# Allegro board IMX7D EVK BOARD REV D_160314.brd (continued)
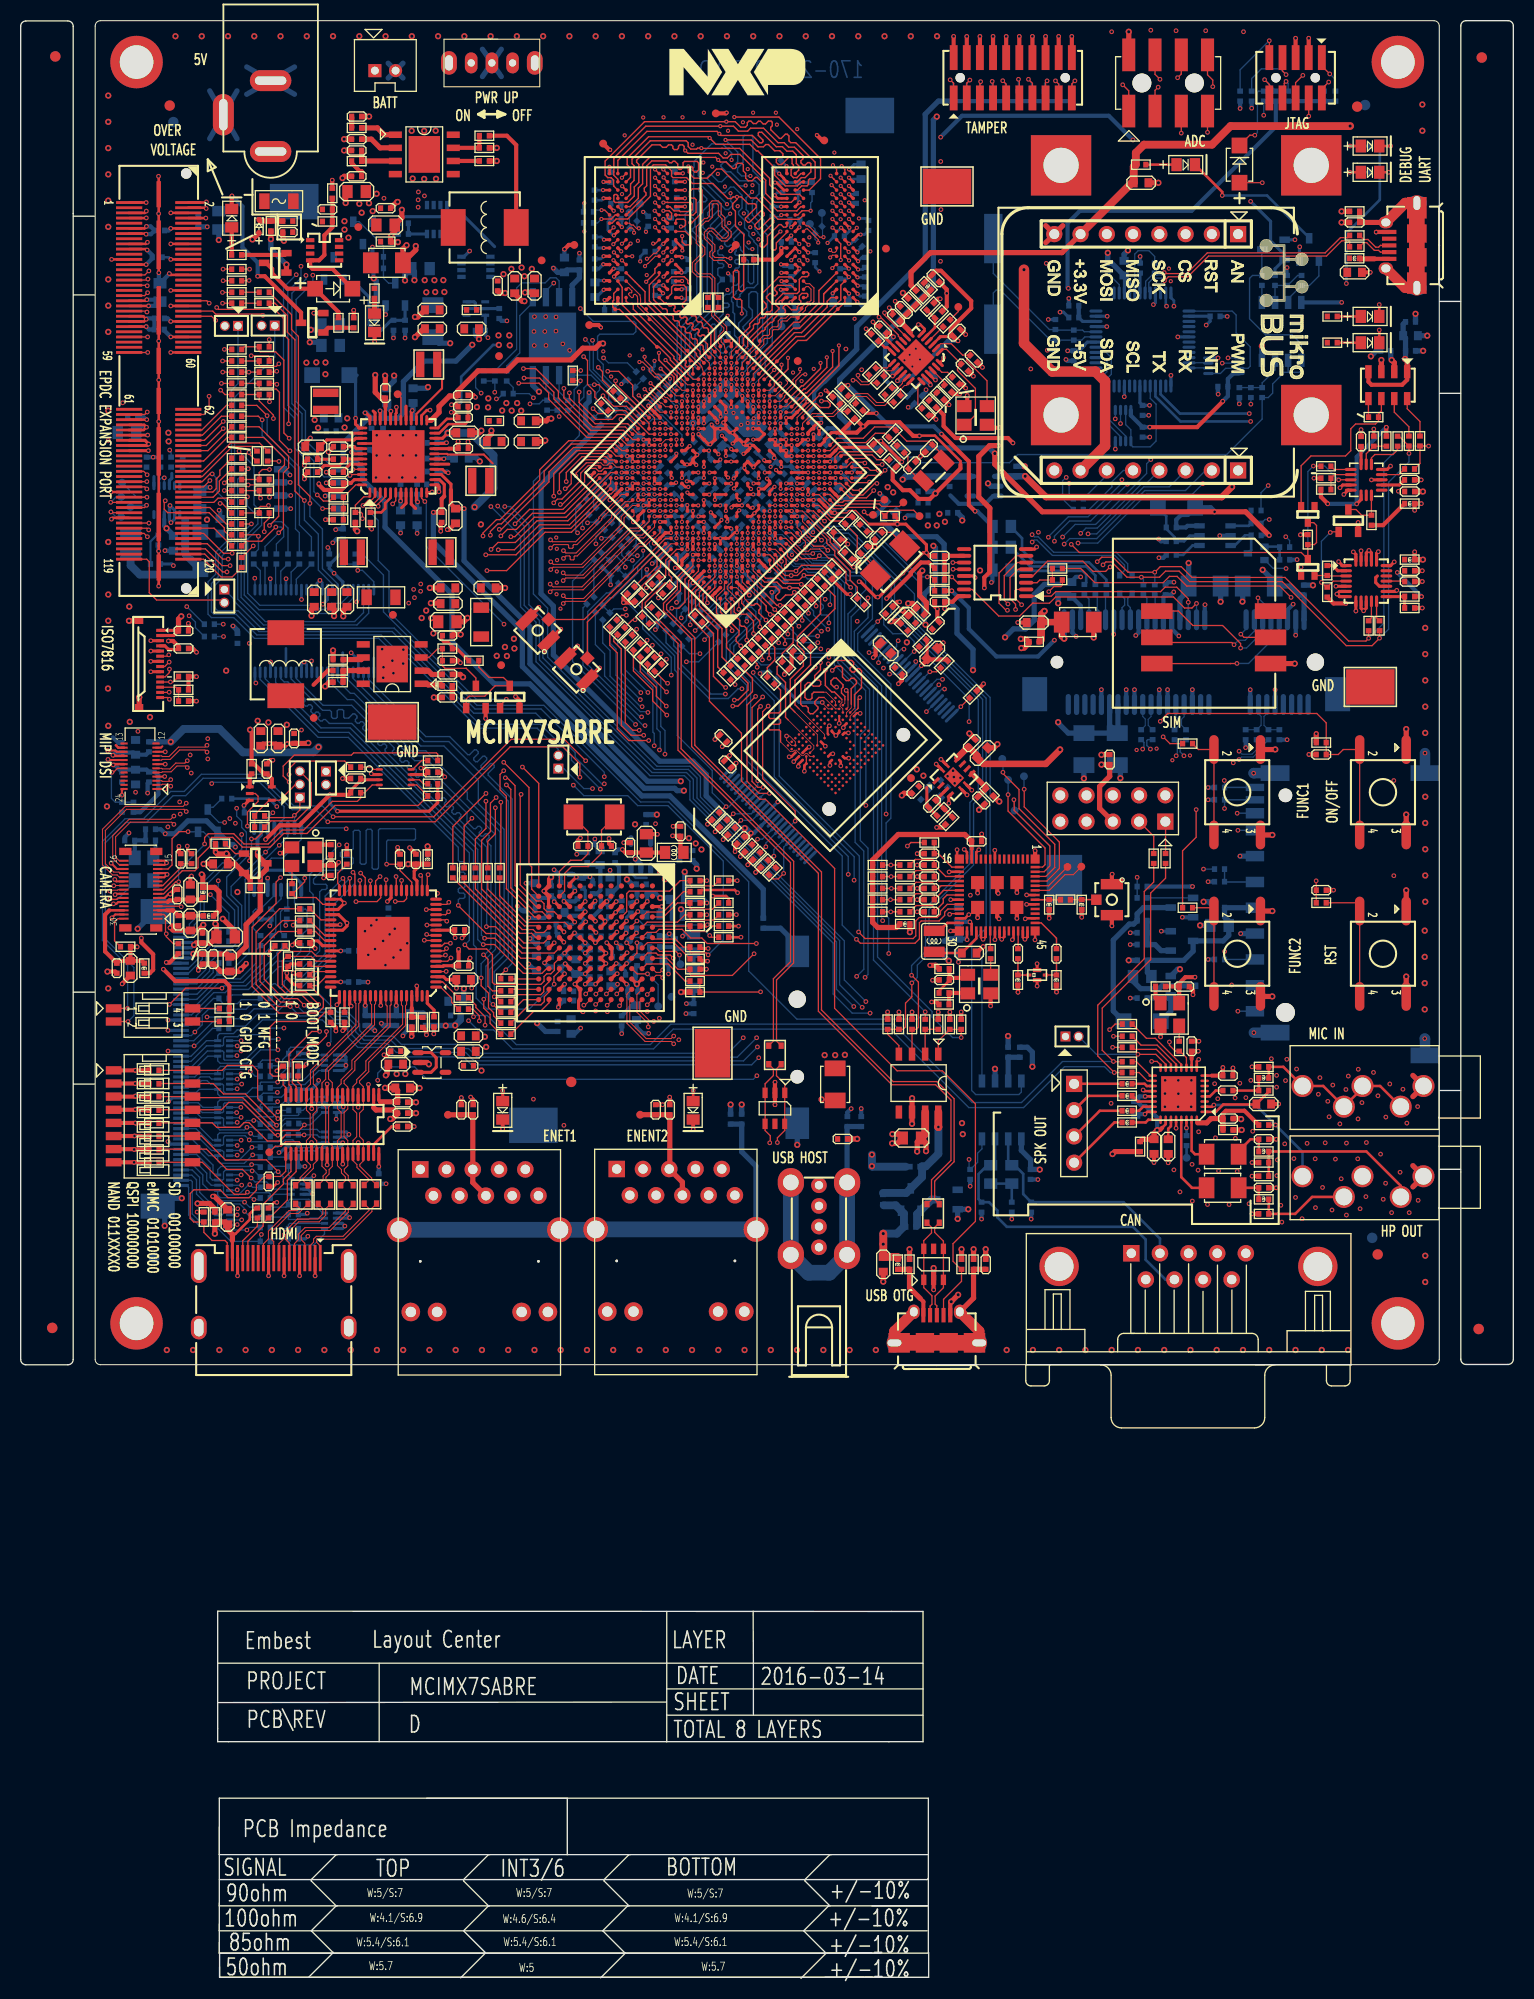
[diagram p0: board, top side]
## Placement (name value [footprint] x y rotation side) (continued)
R429  0R  [R0402]  23.55 141.74 0 top
R430  0R  [R0402]  23.55 153.19 0 top
R431  0R  [R0402]  23.55 143.9 0 top
R432  0R  [R0402]  20.9 144.97 180 top
R433  0R  [R0402]  20.9 141.74 180 top
R434  0R  [R0402]  20.9 153.19 180 top
R435  0R  [R0402]  20.9 143.9 180 top
R436  22R  [R0402]  71.04 128.63 315 top
R437  22R  [R0402]  70.39 127.98 315 top
R438  22R  [R0402]  75.53 133.12 315 top
R439  22R  [R0402]  76.16 133.75 315 top
R440  22R  [R0402]  74.87 132.47 315 top
R441  22R  [R0402]  73.57 131.16 315 top
R442  22R  [R0402]  71.68 129.27 315 top
R443  22R  [R0402]  72.94 130.52 315 top
R444  22R  [R0402]  72.32 129.9 315 top
R445  22R  [R0402]  74.21 131.8 315 top
R446  22R  [R0402]  76.79 134.39 315 top
R447  22R  [R0402]  77.42 135.02 315 top
R448  22R  [R0402]  71.03 128.63 315 bottom
R449  22R  [R0402]  70.39 127.98 315 bottom
R450  22R  [R0402]  75.53 133.12 315 bottom
R451  22R  [R0402]  76.15 133.75 315 bottom
R452  22R  [R0402]  74.87 132.47 315 bottom
R453  22R  [R0402]  73.57 131.16 315 bottom
R454  22R  [R0402]  71.68 129.27 315 bottom
R455  22R  [R0402]  72.94 130.52 315 bottom
R456  22R  [R0402]  72.32 129.9 315 bottom
R457  22R  [R0402]  74.21 131.8 315 bottom
R458  22R  [R0402]  76.79 134.39 315 bottom
R459  22R  [R0402]  77.42 135.02 315 bottom
R460  49R9  [R0402]  23.63 137.29 270 bottom
R461  49R9  [R0402]  22.54 137.29 270 bottom
R462  49R9  [R0402]  25.85 137.29 270 bottom
R463  49R9  [R0402]  24.73 137.29 270 bottom
R464  49R9  [R0402]  46.93 93.44 0 top
R465  49R9  [R0402]  46.93 91.33 0 top
R466  49R9  [R0402]  46.93 92.4 0 top
R467  49R9  [R0402]  46.93 95.51 0 top
R468  22R  [R0402]  57.32 131.05 225 top
R469  22R  [R0402]  58.08 130.31 225 top
R470  22R  [R0402]  55.93 132.48 225 bottom
R471  22R  [R0402]  58.82 129.58 225 top
R472  10K  [R0402]  30 109.17 90 top
R473  22R  [R0402]  57.32 131.05 225 bottom
R474  22R  [R0402]  58.08 130.31 225 bottom
R475  22R  [R0402]  58.82 129.58 225 bottom
R476  0R  [R0402]  26.24 105.4 270 top
R477  10K  [R0402]  110.25 95.94 180 top
R478  0R  [R0402]  112.05 90.16 270 top
R479  0R  [R0402]  89.32 127.1 45 top
R480  0R  [R0402]  92.13 124.19 45 top
R481  0R  [R0402]  27.48 101.26 0 top
R482  0R  [R0402]  27.48 103.46 0 top
R483  0R  [R0402]  107.02 90.05 0 top
R484  0R  [R0402]  27.48 102.31 0 top
R485  0R  [R0402]  55.8 137.57 225 bottom
R486  0R  [R0402]  107.02 92.3 0 top
R487  0R  [R0402]  107.02 91.12 0 top
R488  0R  [R0402]  61.66 126.77 225 top
R489  10K  [R0402]  15.75 124.63 180 top
R490  10K  [R0402]  15.75 123.54 0 top
R491  2K2  [R0402]  108.47 105.6 0 bottom
R492  33R  [R0402]  93.82 99.11 270 top
R493  10K  [R0402]  89.3 94.2 180 top
R494  560R  [R0402]  53.85 103.94 90 bottom
R495  49R9  [R0402]  81.26 133.14 315 top
R496  0R  [R0402]  100.27 135.25 180 top
R497  0R  [R0402]  100.27 136.37 180 top
R498  10K  [R0402]  15.75 125.92 180 top
R499  0R  [R0402]  130.38 130.83 90 top
R500  0R  [R0402]  131.43 130.83 90 top
R501  0R  [R0402]  134.33 145.99 180 top
R502  0R  [R0402]  133.18 148.68 270 top
R503  0R  [R0402]  134.27 148.7 90 top
R504  0R  [R0402]  108.59 134.31 270 bottom
R505  0R  [R0402]  135.34 148.7 90 top
R506  0R  [R0402]  109.7 134.31 270 bottom
R507  0R  [R0402]  42.83 94.85 180 top
R508  0R  [R0402]  19.66 100.32 180 bottom
R509  0R  [R0402]  19.66 101.23 180 bottom
R510  0R  [R0402]  20.89 165.32 180 top
R512  0R  [R0402]  20.9 164.2 180 top
R514  0R  [R0402]  42.83 93.75 180 top
R515  0R  [R0402]  107.02 88.66 0 top
R516  0R  [R0402]  32.4 117.16 0 top
R518  0R  [R0402]  110.73 108.32 90 top
R519  0R  [R0402]  109.59 108.32 90 top
R520  0R  [R0402]  107.01 87.62 0 top
R521  0R  [R0402]  39.86 117.79 180 top
R523  0R  [R0402]  102.3 143.12 0 bottom
R524  0R  [R0402]  102.3 142.06 0 bottom
R525  49R9  [R0402]  55.3 141.92 225 bottom
R526  49R9  [R0402]  56.06 141.19 225 bottom
R527  49R9  [R0402]  57.55 139.72 225 bottom
R528  49R9  [R0402]  54.4 142.75 225 bottom
R529  49R9  [R0402]  59.19 138.14 225 bottom
R530  49R9  [R0402]  56.81 140.46 225 bottom
R531  49R9  [R0402]  46.32 106.93 270 top
R532  49R9  [R0402]  58.48 138.85 225 bottom
R533  49R9  [R0402]  41.8 106.93 270 top
R534  49R9  [R0402]  45.18 106.93 270 top
R535  49R9  [R0402]  42.89 106.93 270 top
R536  49R9  [R0402]  43.98 106.93 270 top
R537  10K  [R0402]  24.2 169.5 270 top
R538  2K2  [R0402]  25.84 169.98 180 top
R539  100K  [R0402]  29.67 169.93 0 top
R540  4K7  [R0402]  30.14 172.66 90 top
R543  10K  [R0402]  34.39 159.89 270 bottom
R547  100K  [R0402]  37.18 159.89 270 bottom
R548  10K  [R0402]  22.34 116.99 270 top
R549  100K  [R0402]  117.87 153.38 270 bottom
R550  100K  [R0402]  118.99 153.38 90 bottom
R551  100K  [R0402]  122.49 164.23 90 bottom
R553  10K  [R0402]  121.32 164.23 270 bottom
R554  0R  [R0402]  120.05 164.23 90 bottom
R555  0R  [R0402]  123.89 164.23 270 bottom
R556  470R  [R0402]  108.34 175.43 0 top
R557  0R  [R0402]  120.08 153.38 270 bottom
R558  0R  [R0402]  61.42 135.21 225 top
R559  0R  [R0402]  62.44 134.29 225 top
R560  0R  [R0402]  101.05 104.34 0 top
R561  100K  [R0402]  88.89 134.21 180 top
R565  0R  [R0402]  60.45 131.38 315 top
R566  0R  [R0402]  61.35 132.27 315 top
R567  0R  [R0402]  119.06 182.06 90 bottom
R568  0R  [R0402]  117.94 182.06 90 bottom
R569  0R  [R0402]  86.5 78.5 0 bottom
R570  100K  [R0402]  86.09 72.69 0 bottom
R571  0R  [R0402]  83.4 75.33 90 bottom
R580  2K2  [R0402]  25.86 98.37 90 top
R581  2K2  [R0402]  25.08 99.87 0 top
R582  0R  [R0402]  22.85 147.24 90 top
R583  0R  [R0402]  23.89 147.24 90 top
R584  100K  [R0402]  43.83 127.45 0 top
R590  33R  [R0402]  27.09 100.37 90 bottom
R591  33R  [R0402]  25.49 100.37 90 bottom
R592  33R  [R0402]  24.32 100.37 90 bottom
R593  33R  [R0402]  23.2 100.37 90 bottom
R595  0R  [R0402]  18.25 129.79 180 bottom
R596  0R  [R0402]  18.25 130.98 180 bottom
R597  33R  [R0402]  82.38 155.43 225 top
R598  33R  [R0402]  83.15 154.65 225 top
R601  33R  [R0402]  89.56 160.09 45 top
R602  10K  [R0402]  82.61 158.71 315 top
R603  10K  [R0402]  87.51 151.53 135 top
R604  10K  [R0402]  90.45 154.55 135 top
R605  140R  [R0402]  79.71 153.43 135 top
R606  75R  [R0402]  78.89 152.61 315 top
R607  140R  [R0402]  81.11 152.01 315 top
R608  75R  [R0402]  80.32 151.22 135 top
R609  10K  [R0402]  88.95 153.04 135 top
R610  10K  [R0402]  88.2 152.29 315 top
R611  100K  [R0402]  34.61 166.52 180 bottom
R612  10K  [R0402]  34.61 165.4 0 bottom
R613  10K  [R0402]  37.02 169.77 0 bottom
R614  100K  [R0402]  37.02 168.73 180 bottom
R615  10K  [R0402]  46.29 161.03 90 bottom
R616  47K  [R0402]  44.46 159.38 180 bottom
R617  0R  [R0402]  67.49 162.1 90 top
R618  0R  [R0402]  66.48 162.1 90 top
R619  0R  [R0402]  32.37 137.28 270 bottom
R620  0R  [R0402]  87.49 92.28 270 top
R621  10K  [R0402]  89.69 153.78 315 top
R622  10K  [R0402]  10.14 99.78 0 top
R623  1K  [R0402]  12.56 110.07 180 bottom
R624  374K  [R0402]  13.04 136.8 0 bottom
R625  12K  [R0402]  13.31 139.13 90 bottom
R626  30R  [R0603]  14.77 138.8 90 bottom
R628  10K  [R0402]  14.55 146.65 270 bottom
R629  0R  [R0402]  15.25 99.59 270 top
R630  10K  [R0402]  16.52 108.3 270 top
R631  10K  [R0402]  10.91 113.28 90 bottom
R632  0R  [R0402]  83.94 153.51 45 top
R633  0R  [R0402]  84.77 152.79 45 top
R634  49.9R 1%  [R0402]  121.74 120.29 270 bottom
R635  49.9R 1%  [R0402]  118.48 120.29 270 bottom
R636  10K  [R0402]  19.39 109.67 180 bottom
R637  10K  [R0402]  19.93 114.11 180 bottom
R638  4K7  [R0402]  39.86 114.37 0 top
R639  4K7  [R0402]  32.4 114.68 180 top
R640  10K  [R0402]  39.86 115.55 0 top
R641  0R  [R0402]  84.08 141.45 180 top
R642  0R  [R0402]  52.27 101.95 0 bottom
R643  0R  [R0402]  52.22 105.52 270 bottom
RN13  33R  [8P4R0402]  19.63 73.6 90 bottom
RN14  33R  [8P4R0402]  19.63 80.32 90 bottom
RN15  33R  [8P4R0402]  19.63 76.96 90 bottom
RN16  33R  [8P4R0402]  19.63 83.49 90 bottom
RN17  33R  [8P4R0402]  19.63 86.74 90 bottom
RN18  33R  [8P4R0402]  19.63 89.95 90 bottom
RN19  10K  [8P4R0402]  29.96 73.27 270 bottom
RN20  10K  [8P4R0402]  26.75 76.59 270 bottom
RN21  10K  [8P4R0402]  29.96 81.11 270 bottom
RN22  10K  [8P4R0402]  29.96 84.5 270 bottom
RN23  10K  [8P4R0402]  29.96 88.56 270 bottom
S1  B3S-1000  [SWS4B60S]  117.66 114.73 270 top
S2  B3S-1000  [SWS4B60S]  131.76 114.73 270 top
S3  B3S-1000  [SWS4B60S]  117.66 99.1 270 top
S4  B3S-1000  [SWS4B60S]  131.76 99.1 270 top
SW1  SS-12D01VG2-566  [SW5B87X45S]  45.57 185.27 0 top
SW2  DSHP08TSGER  [SWS16JV]  12.8 83.38 270 top
SW3  GDH02S04  [SWS4JV]  12.8 91.91 270 top
TP1  tp30  [TP30]  32.66 169.4 180 top
TP2  tp30  [TP30]  28.35 121.92 0 top
TP3  tp30  [TP30]  50.39 166.17 90 top
TP4  tp30  [TP30]  36 131.88 270 top
TP5  tp30  [TP30]  46.47 127.02 270 top
TP6  tp30  [TP30]  82.43 141.56 270 top
TP7  tp30  [TP30]  83.55 143.02 225 top
TP8  tp30  [TP30]  85.37 142.76 225 top
TP9  tp30  [TP30]  86.94 141.43 225 top
TP10  tp30  [TP30]  61.66 151.94 180 bottom
TP11  tp30  [TP30]  65.02 150.43 135 bottom
TP12  tp30  [TP30]  73.81 141.19 135 bottom
TP13  tp30  [TP30]  78.75 138.47 135 bottom
TP14  tp30  [TP30]  73.59 159.78 90 bottom
TP15  tp30  [TP15]  73.14 156.4 0 top
TP16  tp30  [TP15]  79.04 161.46 0 top
TP17  tp30  [TP15]  57.49 161.44 0 top
TP18  tp30  [TP15]  61.55 157.8 0 top
TP19  tp30  [TP30]  75.03 159.82 90 bottom
TP20  tp30  [TP30]  46.26 156.91 270 top
TP21  tp30  [TP30]  76.33 169.7 90 bottom
TP22  tp30  [TP30]  58.89 170.78 180 bottom
TP23  tp30  [TP30]  77.49 170.76 90 bottom
TP24  tp30  [TP30]  59.9 171.67 90 bottom
TP25  tp30  [TP30]  24.04 79.9 90 top
TP26  tp30  [TP30]  102.59 107.53 270 top
TP27  tp30  [TP30]  101.25 107.51 0 top
TP29  tp30  [TP30]  112.77 79.37 180 bottom
TP30  tp30  [TP30]  41.33 83.53 0 top
TP31  tp30  [TP30]  59.91 83.53 0 top
TP32  tp30  [TP30]  63.82 98.09 180 bottom
TP33  tp30  [TP30]  61.66 94.02 180 bottom
TP34  tp30  [TP30]  58.86 100.37 180 bottom
TP35  tp30  [TP30]  57.97 99.74 180 bottom
TP36  tp30  [TP30]  59.88 99.87 180 bottom
TP37  tp30  [TP30]  62.95 94.94 180 bottom
TP39  tp30  [TP30]  36.46 153.23 0 top
TP40  tp30  [TP15]  75.17 160.59 0 top
TP41  tp30  [TP15]  71.49 158.38 0 top
TP42  tp30  [TP15]  75.53 161.53 0 top
TP43  tp30  [TP15]  71.2 157.27 0 top
TP44  tp30  [TP15]  64.77 156.48 0 top
TP45  tp30  [TP15]  64.49 157.44 0 top
TP46  tp30  [TP15]  60.81 160.47 0 top
TP47  tp30  [TP15]  60.49 161.46 0 top
TP48  tp30  [TP30]  61.73 134.89 90 bottom
TP49  tp30  [TP30]  86.11 116.1 45 top
TP50  tp30  [TP30]  9.8 144.67 180 bottom
TP51  tp30  [TP30]  9.72 143.3 180 bottom
TP52  tp30  [TP30]  10.62 142.32 180 bottom
TP53  tp30  [TP30]  9.72 141.36 180 bottom
TP54  tp30  [TP30]  97.04 116.27 180 bottom
TP55  tp30  [TP30]  94.94 117.95 180 bottom
TP56  tp30  [TP30]  96.13 112.96 180 bottom
TP57  tp30  [TP30]  95.51 115.93 180 bottom
TP58  tp30  [TEST_PIN_TP107]  82.13 180.18 180 bottom
TP60  tp30  [TEST_PIN_TP107]  66.92 89.48 90 top
TP61  tp30  [TEST_PIN_TP107]  35.93 121.51 0 top
TP62  tp30  [TEST_PIN_TP107]  100.95 106.32 90 bottom
TP63  tp30  [TEST_PIN_TP107]  26.45 171.85 180 bottom
TP64  tp30  [TEST_PIN_TP107]  89.6 173.32 0 top
TP65  tp30  [TEST_PIN_TP107]  49.59 82.51 180 bottom
TP66  tp30  [TEST_PIN_TP107]  130.54 124.91 0 top
TP67  tp30  [TP30]  90.69 161.66 225 top
TP68  tp30  [TP30]  69.16 167.66 0 top
TP69  tp30  [TP30]  75.16 156.44 0 top
TP70  tp30  [TP30]  83.69 167.31 0 top
TP71  tp30  [TP30]  77.72 177.77 0 top
TP72  tp30  [TP30]  67.23 180.39 0 top
TP73  tp30  [TP30]  53.54 167.66 0 top
TP74  tp30  [TP30]  56.34 177.47 0 top
TP75  tp30  [TP30]  54.99 159.92 0 top
TVS1  B72590D0050H160  [D0402]  35.29 167.98 180 top
TVS2  B72590D0050H160  [D0402]  120.23 73.94 0 top
TVS3  B72590D0050H160  [D0402]  120.23 77.59 0 top
TVS4  B72590D0050H160  [D0402]  120.23 88.16 0 top
TVS5  B72590D0050H160  [D0402]  85.97 69.06 270 top
TVS6  B72590D0050H160  [D0402]  91 69.06 270 top
U2  RT8070ZSP  [SOP8_1JA]  35.93 127.12 90 top
U3  RT8070ZSP  [SOP8_1JA]  39.04 176.42 270 top
U4  PC32PF3000A1EP  [QFN48_1P5B]  36.53 147.21 90 top
U7  PCIMX7D7DVM10SA_541BGA_V2  [BGA541X]  68.2 145.65 135 top
U8  MT41K256M16HA-125  [BGADDR96P8B90X130]  77.32 168.57 180 top
U9  MT41K256M16HA-125  [BGADDR96P8B90X130]  60.16 168.57 180 top
U10  MTFC8GACAEAM-1M WT  [BGA153P5]  78.82 119.25 315 top
U11  MX25L51245GZ2I-10G  [SOIC8_1JG]  51.44 158.84 180 bottom
U12  MT29F32G08CBADB  [TSOP48P5K_A]  79.13 119.35 45 bottom
U13  SiI9022ACNU  [QFN72_1P5C]  35.08 100.13 180 top
U14  ME6211C12M5G  [SOT23_5]  39.76 88.58 270 top
U15  CM2020-00TR  [TSSOP38P5A]  30.14 82.59 270 top
U16  LBEH5HMZPC-TEMP  [MODULE58_6P45]  94.45 104.78 270 top
U17  SN74LVC2G126DCUT  [DCU8P5R]  116.38 155.98 0 bottom
U18  FT2232D  [QFP48P5J]  108.5 158.52 270 bottom
U19  SN74LVC2G126DCUT  [DCU8P5R]  106.63 150.19 90 bottom
U20  FXAS21002CQR1  [QFNASY24P5M]  130.14 135.15 0 top
U21  FXOS8700CQR1  [QFNASY16P5R]  130.14 144.95 180 top
U22  MPL3115A2  [LGA8IR]  132.23 154.1 270 top
U23  TSC2046IPWR  [TSSOP16FA]  24.86 108.28 90 bottom
U24  WM8960CGEFL/V  [QFN32_1P5H]  112 85.56 90 top
U25  MC33901WEF  [SOIC8JA]  94.88 84 0 bottom
U27  USBLC6-2SC6Y  [SOT23_6TR]  72.95 84.15 270 top
U28  USBLC6-2SC6Y  [SOT23_6TR]  88.3 69.06 90 top
U30  SP2526A-1EN-L  [SOIC8JA]  86.85 86.59 180 top
U31  BCM54220B0KFBG  [BGA144P10]  55.61 100.16 270 top
U33  ME6211C18M5G  [SOT23_5]  93.19 144.33 270 bottom
U35  TPS73701DRB  [QFN8_4_1FR]  90.27 116.19 45 top
U36  SN74AVC16T245DGGR  [TSSOP48P5G]  28.41 130.32 180 bottom
U37  TPS3808G30DBVT  [SOT23_6TR]  115.52 139.54 180 bottom
U38  74LV595PW  [TSSOP16FA]  94.25 135.97 180 top
U39  SN74LV1T126DCKR  [DCK5FN]  23.22 114.6 270 top
U40  LMV358MX  [SOIC8JA]  121.96 159.3 180 bottom
U41  24AA512-I/SN  [SOIC8JA]  27.93 144.06 90 bottom
U42  PI6CFGL201BZDIEX  [QFN24_1P5M]  86.59 156.78 225 top
U43  AAT1239ITP-1-T1  [TSOP12P5R]  14.14 142.98 270 bottom
U44  TLV73310PDBVT  [SOT23_5]  59.98 108.68 180 bottom
U45  TXS0102DCUR  [SSOP8CR]  36.23 116.18 0 top
X1  32.768KHz  [X4S32X25]  92.71 96.17 0 top
X2  32.768KHz  [X4S32X25]  27.34 108.5 180 top
X3  32.768KHz  [X4S32X25]  111.15 93.23 270 top
X4  24MHz  [X4S32X25]  11.93 107.28 270 bottom
Y1  CM7V-T1A  [X2S32X15]  88.3 145.84 225 top
Y2  5XBB24000202TF50Q3  [X2S50X32]  84.08 137.15 45 top
Y3  25MHZ  [X4S32X25]  92.37 151.17 0 top
Y4  7D06000202BTAF70Q3  [X2S115X5]  94.07 163.96 270 bottom
Y8  5XBB25000202TF40Q3  [X2S50X32]  55.46 112.34 180 top

## Library data of the parts
C1 C198 C199 C202-C204 C274 C275 C299 C438 = CAP POL_2
C2-C131 C136-C197 C200 C201 C205-C233 C235 C237-C273 C276-C284 C298 C300-C302 C307-C311 C313 C315-C338 C340-C363 C365-C370 C374-C423 C426-C435 C439 C444-C461 = CAP NP
D1 D2 D5-D13 D23 = LED
D3 D4 D16 D20 D25 D26 = DIODE_SCHTKY_0
D14 D15 D24 = BAT54A
D17 = ZDIODE
D22 = BAT54S_0
F1 = FUSE
FL1 = TDK_FILTER_DEA20_1
J1 = DC POWER JACK_1
J2 = CONN_HDR_2X1
J3 = RTC_1
J4 J5 J10 = CONN_UFL_0
J6 = SD_CARD_1
J7 = SIM CARD_0
J8 = Mini PCIe_1
J9 = CON20_0
J11 = USB_MICRO_0
J12 = H10_SMT_0
J13 = QSH060
J14 = TF134-50RL-TAND_3
J15 J16 = VAF5-1908_6
J17 = CONN_HDR_4X1
J18 = FPC14
J19 = DB9
J20 = HEADER5_2
J22 = HEADER5_1
J25 = USB_MICRO_1
J26 = USB_A
J27 = 48F-01GY2DPL2NL_2
J28 = 48F-01GY2DPL2NL_4
J29 = FPC15_15
J30 = FPC15_6
J31 = HDR2X10
J32 J33 = HDR1X8
J36-J41 = TSW 2PTS-DROIT_1
JP1 = H1X3
L1-L7 L18 L44 L54 L67 = PINDUCTOR
L8 L11-L15 L19-L22 L25-L29 L39 L42 L43 L45-L53 L57 L58 L63-L66 L68 = IND: signal model: DEFAULT_INDUCTOR_22000nH_2_1
L10 L40 L41 L59-L62 = CHOKE_COM
L16 L17 L55 L56 = INDUCTOR
L30 L31 = IND
MG1-MG4 = MGX_2
Q2 Q32 Q34 = AO4447A_4
Q5 Q7 Q16 Q22 Q25 Q29-Q31 Q36 = MOSFET_N_0
Q6 Q10 Q13 Q21 Q24 = MOSFET_P_0
Q8 = MM3904_2
Q17 = 2N1132_1
Q35 = BCM8576BS_2
R1 R4 R6 R8-R20 R23 R24 R27 R28 R30-R36 R38 R45 R46 R59-R71 R75 R76 R80-R94 R97-R99 R102-R105 R107 R108 R110-R112 R117-R120 R124 R125 R127-R129 R132-R136 R138-R148 R152-R172 R174-R197 R199 R203-R218 R225 R226 R228 R230 R232 R234 R236 R239 R241-R246 R249-R258 R261-R285 R294-R296 R300-R303 R307 R309-R321 R323-R327 R329-R342 R345-R370 R386-R391 R396-R413 R415-R417 R419-R435 R456-R463 R468-R510 R512 R514-R516 R518-R521 R523 R524 R537-R540 R543 R547-R551 R553-R561 R565-R571 R580-R584 R590-R593 R595-R598 R601-R626 R628-R643 = RES
R39-R44 R100 R101 R106 = RES: signal model: sd1
R95 R96 R436-R447 = RES: signal model: sd3
R137 = RES: signal model: MG_HDMI_IN
R151 R286-R291 R371-R375 = RES: signal model: sd2
R299 R392-R395 = RES: signal model: QSPI
R343 R344 R464-R467 = RES: signal model: RGMII2_TX
R448-R455 = RES: signal model: nand
R525-R528 R530 R532 = RES: signal model: RGMII1_TX
R529 R531 R533-R536 = RES: signal model: RGMII1_RX
RN13-RN18 = RES ARRAY: signal model: MG_HDMI_IN
RN19-RN23 = RES ARRAY
S1-S4 = SW PUSHBUTTON_0
SW1 = SW3_RA_SLIDE_0
SW2 = SW_DIP_8
SW3 = SW DIP-2/SM
TP1-TP27 TP29-TP37 TP39-TP58 TP60-TP75 = TESTLOOP
TVS1-TVS6 = DIODE_TVS_BIDIR
U2 U3 = RT8070ZSP_1
U4 = PC32PF3000A1EP
U7 = PCIMX7D7DVM10SA_541BGA_V2
U8 U9 = 2G_DDR3_SDRAM_128MX16_3
U10 = eMMC_V5
U11 = S25FL128S_SO_8
U12 = MT29F32G08CBADB_1
U13 = SIL9022A_0
U14 U33 = TPS79912YZU
U15 = CM2020
U16 = LBEH5HMZPC
U17 U19 = SN74LVC2G126_0
U18 = FT2232D_2
U20 = FXAS21002_0
U21 = FXOS8700CQ_1
U22 = MPL3115A2
U23 = TSC2046IPWR
U24 = WM8960_QFN_33P
U25 = MC33901WEF
U27 U28 = USBLC6_0
U30 = SP2526A-2_2
U31 = BCM54220_1
U35 = TPS73701DRB
U36 = SN74AVC16T245DGG_0
U37 = TPS3808
U38 = 74LV595_0
U39 = SN74LV1T126: Tolerance: TOL; User Part Number: PART#
U40 = LM358
U41 = 24AA512-I/SN
U42 = 9FGV0241AKLF_3
U43 = TPS3808_4
U44 = TPS3808_6
U45 = NT3H1101W0FHK_4
X1-X4 = SG615/SM
Y1 Y2 = CRYSTAL_4
Y3 = CRYSTAL13
Y4 = CRYSTAL_5
Y8 = CRYSTAL_0

## Footprints (pads in the part's own frame, mm; a bottom-side part is the same pattern mirrored in y, then rotated)
8P4R0402
  rect 0.279x0.686 smd: 1(-0.75,-0.575) 2(-0.75,0.575) 3(-0.25,-0.575) 4(-0.25,0.575) 5(0.25,-0.575) 6(0.25,0.575) 7(0.75,-0.575) 8(0.75,0.575)
ANTS3L
  rect 1.016x1.016 smd: 1(0,-1.5)
  rect 1.016x2.159 smd: 2(1.5,0) 3(-1.5,0)
AUDIO5
  round 2.134 hole 1.626: 1(5.9,0) 2(3.7,-2) 3(0,0) 4(-1.8,-2) 5(-5.8,0)
BATS4P75D150L
  round 1.321 hole 1.321 unplated: (0,-3.75)
  round 1.676 hole 1.676 unplated: (0,3.75)
  rect 2.286x3.048 smd: 1(0,8.37) 2(0,-8.25)
BGA144P10
  round 0.508 smd: A1(-5.5,5.5) A2(-4.5,5.5) A3(-3.5,5.5) A4(-2.5,5.5) A5(-1.5,5.5) A6(-0.5,5.5) A7(0.5,5.5) A8(1.5,5.5) A9(2.5,5.5) A10(3.5,5.5) A11(4.5,5.5) A12(5.5,5.5) B1(-5.5,4.5) B2(-4.5,4.5) B3(-3.5,4.5) B4(-2.5,4.5) B5(-1.5,4.5) B6(-0.5,4.5) B7(0.5,4.5) B8(1.5,4.5) B9(2.5,4.5) B10(3.5,4.5) B11(4.5,4.5) B12(5.5,4.5) C1(-5.5,3.5) C2(-4.5,3.5) C3(-3.5,3.5) C4(-2.5,3.5) C5(-1.5,3.5) C6(-0.5,3.5) C7(0.5,3.5) C8(1.5,3.5) C9(2.5,3.5) C10(3.5,3.5) C11(4.5,3.5) C12(5.5,3.5) D1(-5.5,2.5) D2(-4.5,2.5) D3(-3.5,2.5) D4(-2.5,2.5) D5(-1.5,2.5) D6(-0.5,2.5) D7(0.5,2.5) D8(1.5,2.5) D9(2.5,2.5) D10(3.5,2.5) D11(4.5,2.5) D12(5.5,2.5) E1(-5.5,1.5) E2(-4.5,1.5) E3(-3.5,1.5) E4(-2.5,1.5) E5(-1.5,1.5) E6(-0.5,1.5) E7(0.5,1.5) E8(1.5,1.5) E9(2.5,1.5) E10(3.5,1.5) E11(4.5,1.5) E12(5.5,1.5) F1(-5.5,0.5) F2(-4.5,0.5) F3(-3.5,0.5) F4(-2.5,0.5) F5(-1.5,0.5) F6(-0.5,0.5) F7(0.5,0.5) F8(1.5,0.5) F9(2.5,0.5) F10(3.5,0.5) F11(4.5,0.5) F12(5.5,0.5) G1(-5.5,-0.5) G2(-4.5,-0.5) G3(-3.5,-0.5) G4(-2.5,-0.5) G5(-1.5,-0.5) G6(-0.5,-0.5) G7(0.5,-0.5) G8(1.5,-0.5) G9(2.5,-0.5) G10(3.5,-0.5) G11(4.5,-0.5) G12(5.5,-0.5) H1(-5.5,-1.5) H2(-4.5,-1.5) H3(-3.5,-1.5) H4(-2.5,-1.5) H5(-1.5,-1.5) H6(-0.5,-1.5) H7(0.5,-1.5) H8(1.5,-1.5) H9(2.5,-1.5) H10(3.5,-1.5) H11(4.5,-1.5) H12(5.5,-1.5) J1(-5.5,-2.5) J2(-4.5,-2.5) J3(-3.5,-2.5) J4(-2.5,-2.5) J5(-1.5,-2.5) J6(-0.5,-2.5) J7(0.5,-2.5) J8(1.5,-2.5) J9(2.5,-2.5) J10(3.5,-2.5) J11(4.5,-2.5) J12(5.5,-2.5) K1(-5.5,-3.5) K2(-4.5,-3.5) K3(-3.5,-3.5) K4(-2.5,-3.5) K5(-1.5,-3.5) K6(-0.5,-3.5) K7(0.5,-3.5) K8(1.5,-3.5) K9(2.5,-3.5) K10(3.5,-3.5) K11(4.5,-3.5) K12(5.5,-3.5) L1(-5.5,-4.5) L2(-4.5,-4.5) L3(-3.5,-4.5) L4(-2.5,-4.5) L5(-1.5,-4.5) L6(-0.5,-4.5) L7(0.5,-4.5) L8(1.5,-4.5) L9(2.5,-4.5) L10(3.5,-4.5) L11(4.5,-4.5) L12(5.5,-4.5) M1(-5.5,-5.5) M2(-4.5,-5.5) M3(-3.5,-5.5) M4(-2.5,-5.5) M5(-1.5,-5.5) M6(-0.5,-5.5) M7(0.5,-5.5) M8(1.5,-5.5) M9(2.5,-5.5) M10(3.5,-5.5) M11(4.5,-5.5) M12(5.5,-5.5)
BGA153P5
  round 0.254 smd: A1(-3.25,3.25) A2(-2.75,3.25) A3(-2.25,3.25) A4(-1.75,3.25) A5(-1.25,3.25) A6(-0.75,3.25) A7(-0.25,3.25) A8(0.25,3.25) A9(0.75,3.25) A10(1.25,3.25) A11(1.75,3.25) A12(2.25,3.25) A13(2.75,3.25) A14(3.25,3.25) B1(-3.25,2.75) B2(-2.75,2.75) B3(-2.25,2.75) B4(-1.75,2.75) B5(-1.25,2.75) B6(-0.75,2.75) B7(-0.25,2.75) B8(0.25,2.75) B9(0.75,2.75) B10(1.25,2.75) B11(1.75,2.75) B12(2.25,2.75) B13(2.75,2.75) B14(3.25,2.75) C1(-3.25,2.25) C2(-2.75,2.25) C3(-2.25,2.25) C4(-1.75,2.25) C5(-1.25,2.25) C6(-0.75,2.25) C7(-0.25,2.25) C8(0.25,2.25) C9(0.75,2.25) C10(1.25,2.25) C11(1.75,2.25) C12(2.25,2.25) C13(2.75,2.25) C14(3.25,2.25) D1(-3.25,1.75) D2(-2.75,1.75) D3(-2.25,1.75) D4(-1.75,1.75) D12(2.25,1.75) D13(2.75,1.75) D14(3.25,1.75) E1(-3.25,1.25) E2(-2.75,1.25) E3(-2.25,1.25) E5(-1.25,1.25) E6(-0.75,1.25) E7(-0.25,1.25) E8(0.25,1.25) E9(0.75,1.25) E10(1.25,1.25) E12(2.25,1.25) E13(2.75,1.25) E14(3.25,1.25) F1(-3.25,0.75) F2(-2.75,0.75) F3(-2.25,0.75) F5(-1.25,0.75) F10(1.25,0.75) F12(2.25,0.75) F13(2.75,0.75) F14(3.25,0.75) G1(-3.25,0.25) G2(-2.75,0.25) G3(-2.25,0.25) G5(-1.25,0.25) G10(1.25,0.25) G12(2.25,0.25) G13(2.75,0.25) G14(3.25,0.25) H1(-3.25,-0.25) H2(-2.75,-0.25) H3(-2.25,-0.25) H5(-1.25,-0.25) H10(1.25,-0.25) H12(2.25,-0.25) H13(2.75,-0.25) H14(3.25,-0.25) J1(-3.25,-0.75) J2(-2.75,-0.75) J3(-2.25,-0.75) J5(-1.25,-0.75) J10(1.25,-0.75) J12(2.25,-0.75) J13(2.75,-0.75) J14(3.25,-0.75) K1(-3.25,-1.25) K2(-2.75,-1.25) K3(-2.25,-1.25) K5(-1.25,-1.25) K6(-0.75,-1.25) K7(-0.25,-1.25) K8(0.25,-1.25) K9(0.75,-1.25) K10(1.25,-1.25) K12(2.25,-1.25) K13(2.75,-1.25) K14(3.25,-1.25) L1(-3.25,-1.75) L2(-2.75,-1.75) L3(-2.25,-1.75) L12(2.25,-1.75) L13(2.75,-1.75) L14(3.25,-1.75) M1(-3.25,-2.25) M2(-2.75,-2.25) M3(-2.25,-2.25) M4(-1.75,-2.25) M5(-1.25,-2.25) M6(-0.75,-2.25) M7(-0.25,-2.25) M8(0.25,-2.25) M9(0.75,-2.25) M10(1.25,-2.25) M11(1.75,-2.25) M12(2.25,-2.25) M13(2.75,-2.25) M14(3.25,-2.25) N1(-3.25,-2.75) N2(-2.75,-2.75) N3(-2.25,-2.75) N4(-1.75,-2.75) N5(-1.25,-2.75) N6(-0.75,-2.75) N7(-0.25,-2.75) N8(0.25,-2.75) N9(0.75,-2.75) N10(1.25,-2.75) N11(1.75,-2.75) N12(2.25,-2.75) N13(2.75,-2.75) N14(3.25,-2.75) P1(-3.25,-3.25) P2(-2.75,-3.25) P3(-2.25,-3.25) P4(-1.75,-3.25) P5(-1.25,-3.25) P6(-0.75,-3.25) P7(-0.25,-3.25) P8(0.25,-3.25) P9(0.75,-3.25) P10(1.25,-3.25) P11(1.75,-3.25) P12(2.25,-3.25) P13(2.75,-3.25) P14(3.25,-3.25)
BGA541X
  round 0.381 smd: A1(-9,9) A2(-8.25,9) A3(-7.5,9) A4(-6.75,9) A5(-6,9) A6(-5.25,9) A7(-4.5,9) A8(-3.75,9) A9(-3,9) A10(-2.25,9) A11(-1.5,9) A12(-0.75,9) A13(0,9) A14(0.75,9) A15(1.5,9) A16(2.25,9) A17(3,9) A18(3.75,9) A19(4.5,9) A20(5.25,9) A21(6,9) A22(6.75,9) A23(7.5,9) A24(8.25,9) A25(9,9) AA1(-9,-6) AA2(-8.25,-6) AA3(-7.5,-6) AA4(-6.75,-6) AA5(-6,-6) AA6(-5.25,-6) AA7(-4.5,-6) AA8(-3.75,-6) AA9(-3,-6) AA10(-2.25,-6) AA11(-1.5,-6) AA12(-0.75,-6) AA13(0,-6) AA14(0.75,-6) AA15(1.5,-6) AA16(2.25,-6) AA17(3,-6) AA18(3.75,-6) AA19(4.5,-6) AA20(5.25,-6) AA21(6,-6) AA22(6.75,-6) AA23(7.5,-6) AA24(8.25,-6) AA25(9,-6) AB1(-9,-6.75) AB2(-8.25,-6.75) AB3(-7.5,-6.75) AB4(-6.75,-6.75) AB5(-6,-6.75) AB6(-5.25,-6.75) AB7(-4.5,-6.75) AB8(-3.75,-6.75) AB9(-3,-6.75) AB10(-2.25,-6.75) AB11(-1.5,-6.75) AB12(-0.75,-6.75) AB13(0,-6.75) AB14(0.75,-6.75) AB15(1.5,-6.75) AB16(2.25,-6.75) AB17(3,-6.75) AB18(3.75,-6.75) AB19(4.5,-6.75) AB20(5.25,-6.75) AB21(6,-6.75) AB22(6.75,-6.75) AB23(7.5,-6.75) AB24(8.25,-6.75) AB25(9,-6.75) AC1(-9,-7.5) AC2(-8.25,-7.5) AC3(-7.5,-7.5) AC4(-6.75,-7.5) AC5(-6,-7.5) AC6(-5.25,-7.5) AC7(-4.5,-7.5) AC8(-3.75,-7.5) AC9(-3,-7.5) AC10(-2.25,-7.5) AC11(-1.5,-7.5) AC12(-0.75,-7.5) AC13(0,-7.5) AC14(0.75,-7.5) AC15(1.5,-7.5) AC16(2.25,-7.5) AC17(3,-7.5) AC18(3.75,-7.5) AC19(4.5,-7.5) AC20(5.25,-7.5) AC21(6,-7.5) AC22(6.75,-7.5) AC23(7.5,-7.5) AC24(8.25,-7.5) AC25(9,-7.5) AD1(-9,-8.25) AD2(-8.25,-8.25) AD3(-7.5,-8.25) AD4(-6.75,-8.25) AD5(-6,-8.25) AD6(-5.25,-8.25) AD7(-4.5,-8.25) AD8(-3.75,-8.25) AD9(-3,-8.25) AD10(-2.25,-8.25) AD11(-1.5,-8.25) AD12(-0.75,-8.25) AD13(0,-8.25) AD14(0.75,-8.25) AD15(1.5,-8.25) AD16(2.25,-8.25) AD17(3,-8.25) AD18(3.75,-8.25) AD19(4.5,-8.25) AD20(5.25,-8.25) AD21(6,-8.25) AD22(6.75,-8.25) AD23(7.5,-8.25) AD24(8.25,-8.25) AD25(9,-8.25) AE1(-9,-9) AE2(-8.25,-9) AE3(-7.5,-9) AE4(-6.75,-9) AE5(-6,-9) AE6(-5.25,-9) AE7(-4.5,-9) AE8(-3.75,-9) AE9(-3,-9) AE10(-2.25,-9) AE11(-1.5,-9) AE12(-0.75,-9) AE13(0,-9) AE14(0.75,-9) AE15(1.5,-9) AE16(2.25,-9) AE17(3,-9) AE18(3.75,-9) AE19(4.5,-9) AE20(5.25,-9) AE21(6,-9) AE22(6.75,-9) AE23(7.5,-9) AE24(8.25,-9) AE25(9,-9) B1(-9,8.25) B2(-8.25,8.25) B3(-7.5,8.25) B4(-6.75,8.25) B5(-6,8.25) B6(-5.25,8.25) B7(-4.5,8.25) B8(-3.75,8.25) B9(-3,8.25) B10(-2.25,8.25) B11(-1.5,8.25) B12(-0.75,8.25) B13(0,8.25) B14(0.75,8.25) B15(1.5,8.25) B16(2.25,8.25) B17(3,8.25) B18(3.75,8.25) B19(4.5,8.25) B20(5.25,8.25) B21(6,8.25) B22(6.75,8.25) B23(7.5,8.25) B24(8.25,8.25) B25(9,8.25) C1(-9,7.5) C2(-8.25,7.5) C3(-7.5,7.5) C4(-6.75,7.5) C5(-6,7.5) C6(-5.25,7.5) C7(-4.5,7.5) C8(-3.75,7.5) C9(-3,7.5) C10(-2.25,7.5) C11(-1.5,7.5) C12(-0.75,7.5) C13(0,7.5) C14(0.75,7.5) C15(1.5,7.5) C16(2.25,7.5) C17(3,7.5) C18(3.75,7.5) C19(4.5,7.5) C20(5.25,7.5) C21(6,7.5) C22(6.75,7.5) C23(7.5,7.5) C24(8.25,7.5) C25(9,7.5) D1(-9,6.75) D2(-8.25,6.75) D3(-7.5,6.75) D4(-6.75,6.75) D5(-6,6.75) D6(-5.25,6.75) D7(-4.5,6.75) D8(-3.75,6.75) D9(-3,6.75) D10(-2.25,6.75) D11(-1.5,6.75) D12(-0.75,6.75) D13(0,6.75) D14(0.75,6.75) D15(1.5,6.75) D16(2.25,6.75) D17(3,6.75) D18(3.75,6.75) D19(4.5,6.75) D20(5.25,6.75) D21(6,6.75) D22(6.75,6.75) D23(7.5,6.75) D24(8.25,6.75) D25(9,6.75) E1(-9,6) E2(-8.25,6) E3(-7.5,6) E4(-6.75,6) E5(-6,6) E6(-5.25,6) E7(-4.5,6) E8(-3.75,6) E9(-3,6) E10(-2.25,6) E11(-1.5,6) E12(-0.75,6) E13(0,6) E14(0.75,6) E15(1.5,6) E16(2.25,6) E17(3,6) E18(3.75,6) E19(4.5,6) E20(5.25,6) E21(6,6) E22(6.75,6) E23(7.5,6) E24(8.25,6) E25(9,6) F1(-9,5.25) F2(-8.25,5.25) F3(-7.5,5.25) F4(-6.75,5.25) F5(-6,5.25) F6(-5.25,5.25) F7(-4.5,5.25) F8(-3.75,5.25) F9(-3,5.25) F10(-2.25,5.25) F11(-1.5,5.25) F12(-0.75,5.25) F13(0,5.25) F14(0.75,5.25) F15(1.5,5.25) F16(2.25,5.25) F17(3,5.25) F18(3.75,5.25) F19(4.5,5.25) F20(5.25,5.25) F21(6,5.25) F22(6.75,5.25) F23(7.5,5.25) F24(8.25,5.25) F25(9,5.25) G1(-9,4.5) G2(-8.25,4.5) G3(-7.5,4.5) G4(-6.75,4.5) G5(-6,4.5) G6(-5.25,4.5) G7(-4.5,4.5) G9(-3,4.5) G11(-1.5,4.5) G13(0,4.5) G15(1.5,4.5) G17(3,4.5) G19(4.5,4.5) G20(5.25,4.5) G21(6,4.5) G22(6.75,4.5) G23(7.5,4.5) G24(8.25,4.5) G25(9,4.5) H1(-9,3.75) H2(-8.25,3.75) H3(-7.5,3.75) H4(-6.75,3.75) H5(-6,3.75) H6(-5.25,3.75) H8(-3.75,3.75) H10(-2.25,3.75) H12(-0.75,3.75) H14(0.75,3.75) H16(2.25,3.75) H18(3.75,3.75) H20(5.25,3.75) H21(6,3.75) H22(6.75,3.75) H23(7.5,3.75) H24(8.25,3.75) H25(9,3.75) J1(-9,3) J2(-8.25,3) J3(-7.5,3) J4(-6.75,3) J5(-6,3) J6(-5.25,3) J7(-4.5,3) J9(-3,3) J11(-1.5,3) J13(0,3) J15(1.5,3) J17(3,3) J19(4.5,3) J20(5.25,3) J21(6,3) J22(6.75,3) J23(7.5,3) J24(8.25,3) J25(9,3) K1(-9,2.25) K2(-8.25,2.25) K3(-7.5,2.25) K4(-6.75,2.25) K5(-6,2.25) K6(-5.25,2.25) K8(-3.75,2.25) K10(-2.25,2.25) K12(-0.75,2.25) K14(0.75,2.25) K16(2.25,2.25) K18(3.75,2.25) K20(5.25,2.25) K21(6,2.25) K22(6.75,2.25) K23(7.5,2.25) K24(8.25,2.25) K25(9,2.25) L1(-9,1.5) L2(-8.25,1.5) L3(-7.5,1.5) L4(-6.75,1.5) L5(-6,1.5) L6(-5.25,1.5) L7(-4.5,1.5) L9(-3,1.5) L11(-1.5,1.5) L13(0,1.5) L15(1.5,1.5) L17(3,1.5) L19(4.5,1.5) L20(5.25,1.5) L21(6,1.5) L22(6.75,1.5) L23(7.5,1.5) L24(8.25,1.5) L25(9,1.5) M1(-9,0.75) M2(-8.25,0.75) M3(-7.5,0.75) M4(-6.75,0.75) M5(-6,0.75) M6(-5.25,0.75) M8(-3.75,0.75) M10(-2.25,0.75) M12(-0.75,0.75) M14(0.75,0.75) M16(2.25,0.75) M18(3.75,0.75) M20(5.25,0.75) M21(6,0.75) M22(6.75,0.75) M23(7.5,0.75) M24(8.25,0.75) M25(9,0.75) N1(-9,0) N2(-8.25,0) N3(-7.5,0) N4(-6.75,0) N5(-6,0) N6(-5.25,0) N7(-4.5,0) N9(-3,0) N11(-1.5,0) N13(0,0) N15(1.5,0) N17(3,0) N19(4.5,0) N20(5.25,0) N21(6,0) N22(6.75,0) N23(7.5,0) N24(8.25,0) N25(9,0) P1(-9,-0.75) P2(-8.25,-0.75) P3(-7.5,-0.75) P4(-6.75,-0.75) P5(-6,-0.75) P6(-5.25,-0.75) P8(-3.75,-0.75) P10(-2.25,-0.75) P12(-0.75,-0.75) P14(0.75,-0.75) P16(2.25,-0.75) P18(3.75,-0.75) P20(5.25,-0.75) P21(6,-0.75) P22(6.75,-0.75) P23(7.5,-0.75) P24(8.25,-0.75) P25(9,-0.75) R1(-9,-1.5) R2(-8.25,-1.5) R3(-7.5,-1.5) R4(-6.75,-1.5) R5(-6,-1.5) R6(-5.25,-1.5) R7(-4.5,-1.5) R9(-3,-1.5) R11(-1.5,-1.5) R13(0,-1.5) R15(1.5,-1.5) R17(3,-1.5) R19(4.5,-1.5) R20(5.25,-1.5) R21(6,-1.5) R22(6.75,-1.5) R23(7.5,-1.5) R24(8.25,-1.5) R25(9,-1.5) T1(-9,-2.25) T2(-8.25,-2.25) T3(-7.5,-2.25) T4(-6.75,-2.25) T5(-6,-2.25) T6(-5.25,-2.25) T8(-3.75,-2.25) T10(-2.25,-2.25) T12(-0.75,-2.25) T14(0.75,-2.25) T16(2.25,-2.25) T18(3.75,-2.25) T20(5.25,-2.25) T21(6,-2.25) T22(6.75,-2.25) T23(7.5,-2.25) T24(8.25,-2.25) T25(9,-2.25) U1(-9,-3) U2(-8.25,-3) U3(-7.5,-3) U4(-6.75,-3) U5(-6,-3) U6(-5.25,-3) U7(-4.5,-3) U9(-3,-3) U11(-1.5,-3) U13(0,-3) U15(1.5,-3) U17(3,-3) U19(4.5,-3) U20(5.25,-3) U21(6,-3) U22(6.75,-3) U23(7.5,-3) U24(8.25,-3) U25(9,-3) V1(-9,-3.75) V2(-8.25,-3.75) V3(-7.5,-3.75) V4(-6.75,-3.75) V5(-6,-3.75) V6(-5.25,-3.75) V8(-3.75,-3.75) V10(-2.25,-3.75) V12(-0.75,-3.75) V14(0.75,-3.75) V16(2.25,-3.75) V18(3.75,-3.75) V20(5.25,-3.75) V21(6,-3.75) V22(6.75,-3.75) V23(7.5,-3.75) V24(8.25,-3.75) V25(9,-3.75) W1(-9,-4.5) W2(-8.25,-4.5) W3(-7.5,-4.5) W4(-6.75,-4.5) W5(-6,-4.5) W6(-5.25,-4.5) W7(-4.5,-4.5) W9(-3,-4.5) W11(-1.5,-4.5) W13(0,-4.5) W15(1.5,-4.5) W17(3,-4.5) W19(4.5,-4.5) W20(5.25,-4.5) W21(6,-4.5) W22(6.75,-4.5) W23(7.5,-4.5) W24(8.25,-4.5) W25(9,-4.5) Y1(-9,-5.25) Y2(-8.25,-5.25) Y3(-7.5,-5.25) Y4(-6.75,-5.25) Y5(-6,-5.25) Y6(-5.25,-5.25) Y7(-4.5,-5.25) Y8(-3.75,-5.25) Y9(-3,-5.25) Y10(-2.25,-5.25) Y11(-1.5,-5.25) Y12(-0.75,-5.25) Y13(0,-5.25) Y14(0.75,-5.25) Y15(1.5,-5.25) Y16(2.25,-5.25) Y17(3,-5.25) Y18(3.75,-5.25) Y19(4.5,-5.25) Y20(5.25,-5.25) Y21(6,-5.25) Y22(6.75,-5.25) Y23(7.5,-5.25) Y24(8.25,-5.25) Y25(9,-5.25)